# Altium PCB PCB.PcbDoc (part 1 of 2) (continued)
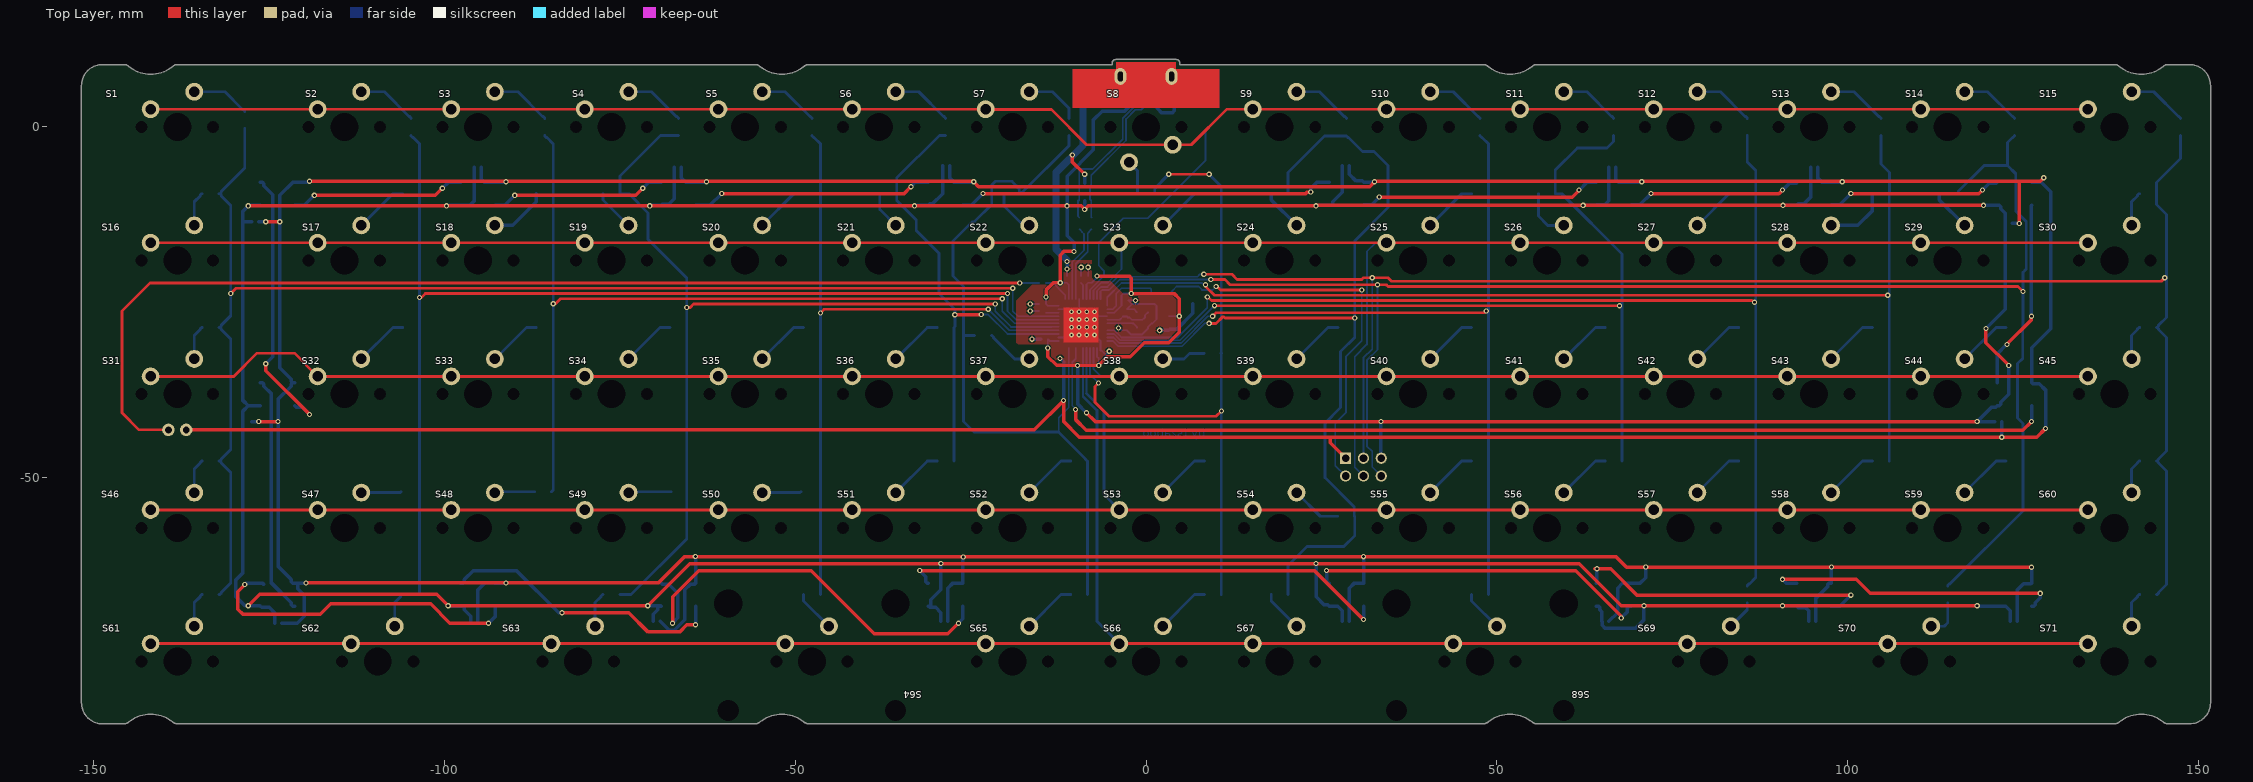
[diagram p0: Top Layer view]
## Components (designator, comment, footprint, x,y, rotation, side; value= is the part's Value field where it differs from the comment) (continued)
S39 "R3-1" "R3-1 NOLED" 19.05,-38.1 r0 top
S40 "R3-1" "R3-1 NOLED" 38.1,-38.1 r0 top locked
S41 "R3-1" "R3-1 NOLED" 57.15,-38.1 r0 top
S42 "R3-1" "R3-1 NOLED" 76.2,-38.1 r0 top
S43 "R3-1" "R3-1 NOLED" 95.25,-38.1 r0 top
S44 "R3-1" "R3-1 NOLED" 114.3,-38.1 r0 top locked
S45 "R3-1.5" "R3-1.5 NOLED" 138.112,-38.1 r0 top locked
S46 "R4-1.5" "R4-1.5 NOLED" -138.112,-57.15 r0 top locked
S47 "R4-1" "R4-1 NOLED" -114.3,-57.15 r0 top locked
S48 "R4-1" "R4-1 NOLED" -95.25,-57.15 r0 top locked
S49 "R4-1" "R4-1 NOLED" -76.2,-57.15 r0 top
S50 "R4-1" "R4-1 NOLED" -57.15,-57.15 r0 top locked
S51 "R4-1" "R4-1 NOLED" -38.1,-57.15 r0 top locked
S52 "R4-1" "R4-1 NOLED" -19.05,-57.15 r0 top
S53 "R4-1" "R4-1 NOLED" 0,-57.15 r0 top
S54 "R4-1" "R4-1 NOLED" 19.05,-57.15 r0 top
S55 "R4-1" "R4-1 NOLED" 38.1,-57.15 r0 top
S56 "R4-1" "R4-1 NOLED" 57.15,-57.15 r0 top
S57 "R4-1" "R4-1 NOLED" 76.2,-57.15 r0 top
S58 "R4-1" "R4-1 NOLED" 95.25,-57.15 r0 top
S59 "R4-1" "R4-1 NOLED" 114.3,-57.15 r0 top
S60 "R4-1.5" "R4-1.5 NOLED" 138.112,-57.15 r0 top
S61 "R4-1.5" "R4-1.5 NOLED" -138.112,-76.2 r0 top locked
S62 "R4-1.5" "R4-1.5 NOLED" -109.537,-76.2 r0 top locked
S63 "R4-1.5" "R4-1.5 NOLED" -80.963,-76.2 r0 top locked
S64 "R4-2" "R4-2 NOLED 180" -47.625,-76.2 r0 top locked
S65 "R4-1" "R4-1 NOLED" -19.05,-76.2 r0 top locked
S66 "R4-1" "R4-1 NOLED" 0,-76.2 r0 top locked
S67 "R4-1" "R4-1 NOLED" 19.05,-76.2 r0 top locked
S68 "R4-2" "R4-2 NOLED 180" 47.625,-76.2 r0 top locked
S69 "R4-1.5" "R4-1.5 NOLED" 80.962,-76.2 r0 top locked
S70 "R4-1.5" "R4-1.5 NOLED" 109.537,-76.2 r0 top locked
S71 "R4-1.5" "R4-1.5 NOLED" 138.112,-76.2 r0 top locked
S72 "434153017835" 434153017835 5,-24.5 r0 bottom
U1 "ATMEGA32U4" 44PW_M -9,-28 r270 bottom
Y1 "16MHz 3225" WE-XTAL_CFPX-180 -0.5,-27.5 r270 bottom

## Footprints (in the part's own frame and the unit in brackets; to place one, negate y for a bottom-side part, rotate by r counter-clockwise, add the part's x,y. Pads: shape width x height; smd on the part's side, far side on the other; paste and mask are expansions set on the pad)
44PW_M [mm]
  rect 1.05x0.25 smd: 1(-3.475,2.5) 2(-3.475,2) 3(-3.475,1.5) 4(-3.475,1) 5(-3.475,0.5) 6(-3.475,0) 7(-3.475,-0.5) 8(-3.475,-1) 9(-3.475,-1.5) 10(-3.475,-2) 11(-3.475,-2.5) 23(3.475,-2.5) 24(3.475,-2) 25(3.475,-1.5) 26(3.475,-1) 27(3.475,-0.5) 28(3.475,0) 29(3.475,0.5) 30(3.475,1) 31(3.475,1.5) 32(3.475,2) 33(3.475,2.5)
  rect 0.25x1.05 smd: 12(-2.5,-3.475) 13(-2,-3.475) 14(-1.5,-3.475) 15(-1,-3.475) 16(-0.5,-3.475) 17(0,-3.475) 18(0.5,-3.475) 19(1,-3.475) 20(1.5,-3.475) 21(2,-3.475) 22(2.5,-3.475) 34(2.5,3.475) 35(2,3.475) 36(1.5,3.475) 37(1,3.475) 38(0.5,3.475) 39(0,3.475) 40(-0.5,3.475) 41(-1,3.475) 42(-1.5,3.475) 43(-2,3.475) 44(-2.5,3.475)
  rect 5.3x5.3 smd: 45(0,0)
  silkscreen extent -4.5,-3.73 3.73,3.72, body extent -3.5,-3.5 3.5,3.5, height 0.9
513870530 [mm]
  rect 0.5x1.6 smd: 1(1.6,-5.5) 2(0.8,-5.5) 3(0,-5.5) 4(-0.8,-5.5) 5(-1.6,-5.5)
  rect 2.1x2.9 smd: TAB(-4,-5) TAB(4,-5)
  oval 1.7x2.4 hole 0.7 slot 1.4 at 90 deg: TAB(-3.65,-2.4) TAB(3.65,-2.4)
  rect 1.3x1 smd: TAB(-2.1,-1) TAB(2,-1)
  silkscreen extent -4.75,-3.25 4.75,-1, body extent -4.55,-6 4.55,0.7, height 4.06
61200621621 [mm] "6 pins, straight, gold plating"
  rect 1.6x1.6 hole 1.1: 1(-2.54,-1.27)
  round 1.6 hole 1.1: 2(-2.54,1.27) 3(0,-1.27) 4(0,1.27) 5(2.54,-1.27) 6(2.54,1.27)
  silkscreen extent -7.74,-4.5 7.74,4.5, body extent -7.64,-4.43 7.64,4.75, height 9.13
434153017835 [mm] "Tact Switch, SMD, body 3.5x2.9mm"
  rect 1.15x1.05 smd: 1(-1.675,0.725) 2(-1.675,-0.725) 3(1.675,0.725) 4(1.675,-0.725)
  silkscreen extent -0.8,-1.45 0.8,1.45, body extent -2.15,-1.45 2.15,1.45, height 1.7
CAPC0402N [mm]
  rect 0.6x0.6 smd: 1(-0.5,0) 2(0.5,0)
  silkscreen extent -1,-0.5 1,0.5, body extent -0.51,-0.25 0.51,0.25, height 0.52
CAPC0805N [mm] "Chip Capacitor, 2-Leads, Body 2.0x1.3mm, IPC Medium Density"
  rect 1x1.4 smd: 1(-1,0) 2(1,0)
  silkscreen extent -0.2,-0.7 0.2,0.7, body extent -1.25,-0.62 1.25,0.62, height 0.79
"R1 NOLED" [mil]
  round 100 hole 59: 1(-150,100) 2(95.23,197.67)
  round 0 hole 67 unplated: 10(200,0) 12(-200,0)
  round 0 hole 157 unplated: 11(0,0)
  body extent -356,-350 356,363, height 844
"R1-1 NOLED 180" [mil]
  round 100 hole 59: 1(-150,100) 2(95.23,197.67)
  round 0 hole 67 unplated: 10(200,0) 12(-200,0)
  round 0 hole 157 unplated: 11(0,0)
  body extent -356,-356 356,356, height 844
"R2-1 NOLED" [mil]
  round 100 hole 59: 1(-150,100) 2(95.23,197.67)
  round 0 hole 67 unplated: 10(200,0) 12(-200,0)
  round 0 hole 157 unplated: 11(0,0)
  body extent -356,-356 356,356, height 764
"R2-1.5 NOLED" [mil]
  round 100 hole 59: 1(-150,100) 2(95.23,197.67)
  round 0 hole 67 unplated: 10(200,0) 12(-200,0)
  round 0 hole 157 unplated: 11(0,0)
  body extent -543,-354 543,358, height 764
"R3-1 NOLED" [mil]
  round 100 hole 59: 1(-150,100) 2(95.23,197.67)
  round 0 hole 67 unplated: 10(200,0) 12(-200,0)
  round 0 hole 157 unplated: 11(0,0)
  body extent -356,-356 356,356, height 742
R3-1.5 [mil]
  round 100 hole 59: 1(-150,100) 2(95.23,197.67)
  round 70 hole 39: 3(50,-200) 4(-50,-200)
  round 0 hole 67 unplated: 10(200,0) 12(-200,0)
  round 0 hole 157 unplated: 11(0,0)
  body extent -543,-354 543,358, height 743
"R3-1.5 NOLED" [mil]
  round 100 hole 59: 1(-150,100) 2(95.23,197.67)
  round 0 hole 67 unplated: 10(200,0) 12(-200,0)
  round 0 hole 157 unplated: 11(0,0)
  body extent -543,-354 543,358, height 743
"R4-1 NOLED" [mil]
  round 100 hole 59: 1(-150,100) 2(95.23,197.67)
  round 0 hole 67 unplated: 10(200,0) 12(-200,0)
  round 0 hole 157 unplated: 11(0,0)
  body extent -356,-356 356,356, height 791
"R4-1.5 NOLED" [mil]
  round 100 hole 59: 1(-150,100) 2(95.23,197.67)
  round 0 hole 67 unplated: 10(200,0) 12(-200,0)
  round 0 hole 157 unplated: 11(0,0)
  body extent -543,-354 543,358, height 793
"R4-2 NOLED 180" [mil]
  round 100 hole 59: 1(-150,100) 2(95.23,197.67)
  round 0 hole 67 unplated: 10(200,0) 12(-200,0)
  round 0 hole 157 unplated: 11(0,0)
  round 0 hole 118.11 unplated: 13(-470,-275) 13(470,-275)
  round 0 hole 157.48 unplated: 14(-470,325) 14(470,325)
  body extent -730,-356 730,433, height 794
RESC0402N [mm] "Chip Resistor, Body 1 x0.5mm, IPC Medium Density"
  rect 0.6x0.6 smd: 1(-0.5,0) 2(0.5,0)
  silkscreen extent -1,-0.5 1,0.5, body extent -0.5,-0.25 0.5,0.25, height 0.3
RESC0603N [mm] "Chip Resistor, Body 1.6x0.8mm, IPC Medium Density"
  rect 0.9x1 smd: 1(-0.85,0) 2(0.85,0)
  silkscreen extent -0.1,-0.4 0.1,0.4, body extent -0.8,-0.4 0.8,0.4, height 0.45
SOD323FL [mm] "SMD diode, SOD323 (SC-76)"
  rect 1x0.8 smd: 1(-1.2,0) 2(1.2,0)
  silkscreen extent -0.38,-0.7 1.6,0.9, body extent -1.4,-0.68 1.4,0.67, height 0.75
SOT23-6L [mm] "WE-TVS TVS Diode, Body 2.9*2.8mm, 6 leads"
  rect 0.6x1.1 smd: 1(-0.95,-1.25) 2(0,-1.25) 3(0.95,-1.25) 4(0.95,1.25) 5(0,1.25) 6(-0.95,1.25)
  silkscreen extent -1.45,-1.03 1.45,0.8, body extent -1.45,-1.4 1.45,1.4, height 1.12
WE-XTAL_CFPX-180 [mm] "Quartz Crystal, size CFPX-180, body 3.4x2.7mm"
  rect 1.4x1.15 smd: 1(-1.1,-0.8) 2(1.1,-0.8) 3(1.1,0.8) 4(-1.1,0.8)
  silkscreen extent -2.35,-0.85 -2.15,-0.65, body extent -1.7,-1.35 1.7,1.35, height 0.65
WS2812 [mm]
  rect 1.5x0.9 smd: 1(-2.45,1.65) 2(-2.45,-1.65) 3(2.45,-1.65) 4(2.45,1.65)
  silkscreen extent -2.9,-2.7 2.9,2.75, body extent -2.7,-2.5 2.7,2.5, height 1.58

## Part data
C1: library part 885012105012, MANUF=WE, VOLTAGE=10, COMPATIBLES=True, DESCIPTION="CAP SMD 0402 1 µF 10V X5R", DIGIKEY=732-7489-2-ND, MANUFCODE=885012105012, NoPins=2, SCH="0402 1 µF 10V X5R", SMD=YES, SUPPLY=SUB, TECH=X5R
C2: library part 885012107010, MANUF=WE, TOLERANCE=±20%, VOLTAGE=10, COMPATIBLES=True, DESCIPTION="CAP SMD 0805 10 µF 10 V X5R", DIGIKEY=732-7620-2-ND, MANUFCODE=885012107010, NoPins=2, SCH="0805 10µF 10V X5R", SMD=YES, SUPPLY=SUB, TECH=X5R
C3 C4: library part 885012005007, MANUF=WE, VOLTAGE=10, COMPATIBLES=True, DESCIPTION="CAP SMD 0402 10 pF 10V NP0", DIGIKEY=732-7425-2-ND, MANUFCODE=885012005007, NoPins=2, SCH="0402 10 pF 10V NP0", SMD=YES, SUPPLY=SUB, TECH=NP0
C5 C6 C7 C8 C9 C10 C11 C12 C13 C14 C15 C16 C17 C18 C19 C20 C21 C22 C23 C24 C25 C26 C27 C28 C29: library part 885012105010, MANUF=WE, VOLTAGE=10, COMPATIBLES=True, DESCIPTION="CAP SMD 0402 100 nF 10V X5R", DIGIKEY=732-7487-2-ND, MANUFCODE=885012105010, NoPins=2, SCH="0402 100 nF 10V X5R", SMD=YES, SUPPLY=SUB, TECH=X5R
D1 D2 D3 D4 D5 D6 D7 D8 D9 D10 D11 D12 D13 D14 D15 D16 D17 D18 D19 D20 D21 D22 D23 D24 D25 D26 D27 D28 D29 D30 D31 D32 D33 D34 D35 D36 D37 D38 D39 D40 D41 D42 D43 D44 D45 D46 D47 D48 D49 D50 D51 D52 D53 D54 D55 D56 D57 D58 D59 D60 D61 D62 D63 D64 D65 D66 D67 D68 D69 D70 D71: "Default Diode", MANUF="ON Semi", PACKAGE=SOD323-FL, COMPATIBLES=True, DESCIPTION="DIODE GEN PURP 80V 125MA SOD323", DIGIKEY=1N4148WSFSTR-ND, FARNELL=2453270, GENERIC=1N4148, MANUFCODE=1N4148WS, NoPins=2, SMD=True
D72: library part "WE-TVS, SOT23-6L, 82400102", "WE-TVS TVS Diode, High Speed Series, SOT23-6L, VDC = 5V", Manufacturer="Wurth Elektronik", COMPATIBLES=False, ComponentLink1Description=Manufacturer, ComponentLink1URL=http://www.we-online.de, ComponentLink2Description=Datasheet, ComponentLink2URL=http://katalog.we-online.de/pbs/datasheet/82400102.pdf, Created by=BJ.Chen, Created Date="Jan 2016", DESCIPTION="WE-TVS TVS Diode, High Speed Series, SOT23-6L, VDC = 5V", DIGIKEY=732-4473-1-ND, PartNo=82400102, VDC=5V
J1: "Mini USB, B-Receptacle, Right-Angle, Short Body, Surface Mount Solder Tails and Through Hole Shell Tabs, with Cover Tape, Reflow DIP Type, Lead-Free", MANUF=MOLEX, COMPATIBLES=False, ComponentLink1 Description=Manufacturer, ComponentLink1URL=http://www.we-online.de, ComponentLink2 Description=Datasheet, ComponentLink2URL=http://katalog.we-online.de/em/datasheet/65100516121.pdf, DESCIPTION="USB - mini B USB 2.0 OTG Receptacle Connector 5 Position Surface Mount", DIGIKEY=WM3756TR-ND, MANUFCODE=513870530
LED1 LED2 LED3 LED4 LED5 LED6 LED7 LED8 LED9 LED10 LED11 LED12 LED13 LED14 LED15 LED16 LED17 LED18: library part WS2812, MANUF=Worldsemi, COMPATIBLES=False, DESCIPTION="ADDRESS LED RED/GRN/BLUE", DIGIKEY=COM-16347, MANUFCODE=WS2812B, NoPins=4
P1: "Male Box Header WR-BHD, THT, Vertical, pitch 2.54 mm, 6 pins", Contact Resistance="20 mOhm", Operating Temperature="-40 to 125 degC", Withstanding Voltage="500 VAC", Working Voltage="250 VAC", COMPATIBLES=True, ComponentLink1Description=Manufacturer, ComponentLink1URL=http://www.we-online.de, ComponentLink2Description=Datasheet, ComponentLink2URL=https://katalog.we-online.de/em/datasheet/6120xx21621.pdf, Gender=Male, Mounting Technology=THT, Orientation=Vertical, Packaging=Tray, Part Number=61200621621, Pin Number=6, Pitch="2.54 mm", Published Date="August 2018", Publisher="Wurth Elektronik"
R1 R2: library part CRCW060322R0FKEA, "Resistor", MANUF=VISHAY, COMPATIBLES=True, DESCIPTION="RES SMD 22 OHM 1% 1/10W 100PPM 0603", DESCR="RES SMD 22 OHM 1% 1/10W 100PPM 0603", DIGIKEY=541-22.0HCT-ND, FARNELL=#N/A, MANUFCODE=CRCW060322R0FKEA, NoPins=2, SCH="RES 22R 0603", SMD=YES, SUPPLY=SUB
R3 R4: library part CRCW04024K70FKED, "Resistor", MANUF=VISHAY, COMPATIBLES=True, DESCIPTION="RES SMD 4.7K OHM 1% 1/16W 100PPM 0402", DESCR="RES SMD 4.7K OHM 1% 1/16W 100PPM 0402", DIGIKEY=541-4.70KLCT-ND, FARNELL=TBD, MANUFCODE=CRCW04024K70FKED, NoPins=2, SCH="RES 4.7K 0402", SMD=YES, SUPPLY=SUB
S72: "WS-TASV J-Bend SMT Tact Switch, 3.5x2.9x1.7mm, 350gf", MANUF=WE, Manufacturer="Wurth Elektronik", Operating Temperature="-40 to +85degC", Rated Current=50mA, Rated Voltage=12VDC, COMPATIBLES=True, ComponentLink1Description=Manufacturer, ComponentLink1URL=http://www.we-online.de, ComponentLink2Description=Datasheet, ComponentLink2URL=https://www.we-online.com/catalog/datasheet/434153017835.pdf, Contact Material="Stainless Steel", Contact Plating=Silver, DESCIPTION="SWITCH TACTILE SPST-NO 0.05A 12V", DIGIKEY=732-10143-1-ND, Manufacturer Part Number=434153017835, MANUFCODE=434153017835, Mounting Technology=SMT, Operation Force=350gf, Packaging="Tape and Reel", Published Date="November 2020", Size=3.5x2.9x1.7mm, Terminal Material="Copper Alloy", Terminal Plating=Silver, Washable=No
U1: library part CMP-0095-00166-2, "8-bit AVR Microcontroller, 2.7-5.5V, 16MHz, 32KB Flash, 1KB EEPROM, 2.5KB SRAM, USB Controller, 44-pin QFN, Industrial Grade (-40°C to 85°C), Ext Osc", MANUF=Microchip, MANUFCODE=ATMEGA32U4-MU-ND, Code_JEDEC=MO-220-VKKD-1, COMPATIBLES=False, ComponentLink1Description="Manufacturer URL", ComponentLink1URL=http://www.atmel.com/, ComponentLink2Description="ATmega16U4/32U4 Datasheet", ComponentLink2URL=http://www.atmel.com/dyn/resources/prod_documents/doc7766.pdf, ComponentLink3Description="ATmega16U4 ATmega32U4 Summary", ComponentLink3URL=http://www.atmel.com/dyn/resources/prod_documents/7766S.pdf, DatasheetVersion="revF, Nov-2010", DESCIPTION="IC MCU 8BIT 32KB FLASH 44VQFN", DIGIKEY=ATMEGA32U4-MU-ND, NoPins=44, PackageDescription="44-Pin Quad Flat No-Lead Package, 7 x 7 mm Body, 0.5 mm Pitch (QFN)", PackageReference=44PW, PackageVersion="revG, Sep-2009", RevisionNote="DatasheetVersion, PackageVersion & PCB updated. URLs added."
Y1: library part 830055951, "WE-XTAL Quartz Crystal, SMT, CFPX-180, 16MHz, +/-20ppm", Frequency=16MHz, Frequency Stability=+/-30ppm, Frequency Tolerance=+/-20ppm, Load Capacitance=18pF, MANUF=WE/IQD, Manufacturer="Wurth Elektronik", Operating Temperature="-40 to +85degC", COMPATIBLES=True, ComponentLink1Description=Manufacturer, ComponentLink1URL=http://www.we-online.de, ComponentLink2Description=Datasheet, ComponentLink2URL=https://katalog.we-online.com/pbs/datasheet/830055951.pdf, DESCIPTION="CRYSTAL 16.0000MHZ 18PF SMD", DIGIKEY=1923-1308-1-ND, Manufacturer Part Number=830055951, MANUFCODE=830055951, Mounting Technology=SMT, Packaging="Tape and Reel", Published Date="July 2020", Size=CFPX-180

## Via types
v1: diameter 0.75, hole 0.4, Top Layer to Bottom Layer, 139 vias
v2: diameter 0.7, hole 0.3, Top Layer to Bottom Layer, 16 vias

## Nets (pads, with @x,y where several pads share a name; then routed paths per layer and width w, separated by ;. In a path a pad name is that pad's centre, name@x,y a point inside that pad or via, vN(x,y) a via of type N, cw(c..) or ccw(c..) an arc to the next point about the centre after c; other vN are vias at no path point)
C0: S1.1 S2.1 S3.1 S4.1 S5.1 S6.1 S7.1 S8.1 S9.1 S10.1 S11.1 S12.1 S13.1 S14.1 S15.1 U1.8 | length 322
  Top Layer w0.4: S1.1@-141.922,2.54 S2.1@-118.11,2.54 S3.1@-99.06,2.54 S4.1@-80.01,2.54 S5.1@-60.96,2.54 S6.1@-41.91,2.54 S7.1@-22.86,2.54 -22.82,2.5 -13.5,2.5 -8.46,-2.54 S8.1@3.81,-2.54 6.46,-2.54 11.54,2.54 S9.1@15.24,2.54 S10.1@34.29,2.54 S11.1@53.34,2.54 S12.1@72.39,2.54 S13.1@91.44,2.54 S14.1@110.49,2.54 S15.1@134.302,2.54
  Bottom Layer w0.25: U1.8@-8,-24.525 -8,-23.25 -6,-21.25 -6,-20.5 -6.75,-19.75 -6.75,-16.5 -3.25,-13 0.25,-13 8.5,-4.75 8.5,-0.5 11.54,2.54 S9.1@15.24,2.54
C1: P1.4 S16.1 S17.1 S18.1 S19.1 S20.1 S21.1 S22.1 S23.1 S24.1 S25.1 S26.1 S27.1 S28.1 S29.1 S30.1 U1.9 | length 323.1
  Top Layer w0.4: S16.1@-141.922,-16.51 S17.1@-118.11,-16.51 S18.1@-99.06,-16.51 S19.1@-80.01,-16.51 S20.1@-60.96,-16.51 S21.1@-41.91,-16.51 S22.1@-22.86,-16.51 S23.1@-3.81,-16.51 S24.1@15.24,-16.51 S25.1@34.29,-16.51 S26.1@53.34,-16.51 S27.1@72.39,-16.51 S28.1@91.44,-16.51 S29.1@110.49,-16.51 S30.1@134.302,-16.51
  Bottom Layer w0.25: U1.9@-7.5,-24.525 -7.5,-23.316 -6.359,-22.175 -5.425,-22.175 -3.5,-20.25 -3.5,-16.82 S23.1@-3.81,-16.51 ; P1.4@31,-49.77 29.75,-48.52 29.75,-32.75 31.5,-31 31.5,-17.75 32.74,-16.51 S25.1@34.29,-16.51
C2: S31.1 S32.1 S33.1 S34.1 S35.1 S36.1 S37.1 S38.1 S39.1 S40.1 S41.1 S42.1 S43.1 S44.1 S45.1 U1.25 | length 286.1
  Top Layer w0.4: S31.1@-141.922,-35.56 -130.06,-35.56 -126.75,-32.25 -121.42,-32.25 S32.1@-118.11,-35.56 S33.1@-99.06,-35.56 S34.1@-80.01,-35.56 S35.1@-60.96,-35.56 S36.1@-41.91,-35.56 S37.1@-22.86,-35.56 S38.1@-3.81,-35.56 S39.1@15.24,-35.56 S40.1@34.29,-35.56 S41.1@53.34,-35.56 S42.1@72.39,-35.56 S43.1@91.44,-35.56 S44.1@110.49,-35.56 S45.1@134.302,-35.56
  Bottom Layer w0.25: U1.25@-7.5,-31.475 -7.5,-34.5 -6.44,-35.56 S38.1@-3.81,-35.56
C3: S46.1 S47.1 S48.1 S49.1 S50.1 S51.1 S52.1 S53.1 S54.1 S55.1 S56.1 S57.1 S58.1 S59.1 S60.1 U1.27 | length 301.3
  Top Layer w0.4: S46.1@-141.922,-54.61 S47.1@-118.11,-54.61 S48.1@-99.06,-54.61 S49.1@-80.01,-54.61 S50.1@-60.96,-54.61 S51.1@-41.91,-54.61 S52.1@-22.86,-54.61 S53.1@-3.81,-54.61 S54.1@15.24,-54.61 S55.1@34.29,-54.61 S56.1@53.34,-54.61 S57.1@72.39,-54.61 S58.1@91.44,-54.61 S59.1@110.49,-54.61 S60.1@134.302,-54.61
  Bottom Layer w0.25: -8.5,-38 -8.5,-31.948 U1.27@-8.5,-31.475
  Bottom Layer w0.4: -8.5,-38 -6,-40.5 -6,-52.42 S53.1@-3.81,-54.61
C4: S61.1 S62.1 S63.1 S64.1 S65.1 S66.1 S67.1 S68.1 S69.1 S70.1 S71.1 U1.28 | length 320.6
  Top Layer w0.4: S61.1@-141.922,-73.66 S62.1@-113.347,-73.66 S63.1@-84.773,-73.66 S64.1@-51.435,-73.66 S65.1@-22.86,-73.66 S66.1@-3.81,-73.66 S67.1@15.24,-73.66 S68.1@43.815,-73.66 S69.1@77.153,-73.66 S70.1@105.727,-73.66 S71.1@134.302,-73.66
  Bottom Layer w0.25: U1.28@-9,-31.475 -9,-33.758 -8.975,-33.783 -8.975,-38.425 -8.9,-38.5
  Bottom Layer w0.4: -8.9,-38.5 -7,-40.4 -7,-70.47 S66.1@-3.81,-73.66
CAPS: R4.2 S31.4 | length 154.5
  Top Layer w0.4: S31.4@-139.382,-43.18 -143.57,-43.18 -146,-40.75 -146,-26.25 -142,-22.25 v1(-18,-22.25)
  Bottom Layer w0.25: v1(-18,-22.25) R4.2@-15.25,-22.25
GND: C1.1 C2.1 C3.1 C4.1 C5.1 C6.1 C7.1 C8.1 C9.1 C10.1 C11.1 C12.1 C13.1 C14.1 C15.1 C16.1 C17.1 C18.1 C19.1 C20.1 C21.1 C22.1 C23.1 C24.1 C25.1 C26.1 C27.1 C28.1 C29.1 D72.2 J1.5 J1.TAB LED1.3 LED2.3 LED3.3 LED4.3 LED5.3 LED6.3 LED7.3 LED8.3 LED9.3 LED10.3 LED11.3 LED12.3 LED13.3 LED14.3 LED15.3 LED16.3 LED17.3 LED18.3 P1.1 S31.3 S72.3 U1.5 U1.15 U1.23 U1.35 U1.43 U1.45 Y1.2 Y1.4 | length 1107.9
  Top Layer w0.5: S31.3@-136.843,-43.18 -15.93,-43.18 v1(-11.75,-39) -11.75,-42 -9.5,-44.25 26.25,-44.25 ; v1(-126.5,-42) -126.493,-42.007 v1(-123.75,-42.007) ; v1(-125.5,-13.5) v1(-123.5,-13.5) ; v1@-119.762,-65 -69.5,-65 -65.75,-61.25 v1(-64.25,-61.25) 67,-61.25 68.512,-62.762 v1(126.263,-62.762) ; v1(-119.25,-7.75) v1@-24.562,-7.75 ; v1(-24.562,-7.812) -23.875,-8.5 31.9,-8.5 v1(32.588,-7.812) ; v1(-10.5,-4) -10.5,-5 v1(-8.75,-6.75) ; P1.1@28.46,-47.23 26.25,-45.02 26.25,-44.25 ; v1@32.588,-7.75 124.5,-7.75 ; v1(124.5,-13.75) 124.5,-7.75 ; v1(128,-7.25) 127.5,-7.75 124.5,-7.75 ; v1(128.25,-43) 127,-44.25 v1(122,-44.25) 26.25,-44.25
  Bottom Layer w0.25: v1(-16.5,-26.25) C9.1@-15.25,-26.25 ; v1(-16.5,-25.25) C7.1@-15.25,-25.25 ; U1.35@-12.475,-30 -11.4,-30 U1.45@-11.2,-30.2 ; U1.43@-12.475,-26 -11.4,-26 U1.45@-11.2,-25.8 ; C8.1@-11.25,-21.25 v1(-11.25,-20.25) ; U1.5@-9.5,-24.525 -9.5,-26.4 U1.45@-9,-26.9 ; C1.1@-9.25,-21.25 v1(-9.25,-20) ; C5.1@-8.25,-21.25 v1(-8.25,-20) ; U1.45@-6.8,-30.2 -6.5,-30.5 -6.5,-31.875 -6.346,-31.875 -5.75,-32.471 C10.1@-5.75,-33 ; U1.45@-6.8,-26.9 -6.7,-27 U1.15@-5.525,-27 ; -5.721,-32.471 -5.25,-32 v1(-5.25,-31.975) ; v1(-3.915,-28.665) -3.78,-28.665 -3.445,-29 C3.1@-2.75,-29 -2.175,-29.575 -0.55,-29.575 0.3,-28.725 Y1.2@0.3,-28.6 0.3,-28.475 0.75,-28.025 0.875,-28.025 1.5,-27.4 1.5,-25.5 1.25,-25.25 -2,-25.25 ; v1(-1.5,-24.75) -1.5,-24.627 -1.627,-24.5 -1.877,-24.75 C11.1@-2.5,-24.75 -2,-25.25 ; Y1.4@-1.3,-26.4 -1.7,-26 C4.1@-2.75,-26 -2,-25.25
  Bottom Layer w0.5: C27.1@-127.5,-42 v1(-126.5,-42) ; C28.1@-126.5,-13.5 v1(-125.5,-13.5) ; C21.1@-123.25,-70.75 -121,-70.75 -120,-69.75 -120,-66.75 -120.92,-65.83 -120.92,-65.225 LED11.3@-121.12,-65.025 ; LED10.3@-121.375,-36.45 LED10.3@-121.675,-36.45 ; v1(-119.762,-65.012) -119.775,-65.025 LED11.3@-121.12,-65.025 ; v1(-119.25,-7.75) -119.375,-7.875 LED9.3@-121.375,-7.875 -121.625,-7.875 -123.5,-9.75 v1(-123.5,-13.5) -123.5,-34.325 -121.875,-35.95 -121.875,-36.25 LED10.3@-121.675,-36.45 ; C18.1@-95.25,-70.5 -95.25,-66 -94.25,-65 -92.825,-65 LED12.3@-92.8,-65.025 -91.275,-65.025 v1(-91.262,-65.012) ; C29.1@-94.75,-5.75 -94.75,-7.5 -94.375,-7.875 LED8.3@-92.8,-7.875 v1@-91.3,-7.875 ; C19.1@-69.25,-70.5 -68,-71.75 -67.25,-71.75 -65.75,-70.25 -65.75,-66 -64.975,-65.225 -64.425,-65.225 LED13.3@-64.225,-65.025 v1@-64.225,-61.25 ; C26.1@-66.25,-5.75 -66.25,-7.25 -65.625,-7.875 LED7.3@-64.225,-7.875 v1@-62.725,-7.875 ; C17.1@-28.25,-70.5 -28.25,-65.75 -27.525,-65.025 LED14.3@-26.125,-65.025 -26.125,-61.375 v1(-26.062,-61.312) ; C22.1@-28,-5.5 -28,-7.25 -27.375,-7.875 LED6.3@-26.125,-7.875 v1@-24.625,-7.875 ; v1(-16.25,-30.25) C6.1@-15,-30.25 ; v1(-12.25,-33) -11.75,-33.5 v1(-11.75,-39) ; v1(-11.25,-20.25) v1@-11.25,-19 ; D72.2@-8.75,-8 v1(-8.75,-6.75) ; -5.2,3.4 -4.8,3.4 -4,4.2 J1.TAB@-4,4.6 ; J1.TAB@-3.5,4.1 J1.TAB@-4,4.6 ; J1.TAB@-2,8.6 -2.25,8.35 -2.5,8.35 -2.844,8.006 -2.869,8.006 -3.65,7.225 J1.TAB@-3.65,7.2 -3.65,4.95 J1.TAB@-4,4.6 ; J1.5@1.6,4.1 1.6,2.65 2.25,2 3.75,2 4.043,2.293 4.043,3 4.25,3 ; v1(1.942,-29) C2.1@3.25,-29 3.38,-28.87 4.38,-28.87 6.675,-26.575 S72.3@6.675,-25.225 ; J1.TAB@2.1,8.6 2.25,8.6 2.5,8.35 3.07,7.78 3.096,7.78 3.65,7.225 3.65,4.95 J1.TAB@4,4.6 ; C13.1@29,-70.5 29,-65.75 29.725,-65.025 LED15.3@31.025,-65.025 v1@31.025,-61.275 ; C23.1@29,-5.5 29,-6.75 29.945,-7.695 30.845,-7.695 LED5.3@31.025,-7.875 v1@32.525,-7.875 ; C20.1@66,-70.5 67.25,-69.25 67.25,-65.75 67.92,-65.08 69.07,-65.08 LED16.3@69.125,-65.025 70.475,-65.025 71.25,-64.25 v1(71.25,-62.75) ; C24.1@67,-5.75 67,-7.5 67.375,-7.875 LED4.3@69.125,-7.875 70.625,-7.875 v1(70.688,-7.812) v1@70.75,-7.75 ; C14.1@95.5,-70.5 95.5,-67.225 97.2,-65.525 97.2,-65.225 97.4,-65.025 LED17.3@97.7,-65.025 97.7,-62.8 v1(97.75,-62.75) ; C25.1@95.75,-5.75 95.75,-7.25 96.375,-7.875 LED3.3@97.7,-7.875 v1@99.2,-7.875 ; v1(122,-44.25) C16.1@122,-42 ; C12.1@123.5,-13.75 v1(124.5,-13.75) ; C15.1@124.25,-70.5 124.25,-66 125.12,-65.13 126.17,-65.13 LED18.3@126.275,-65.025 v1@126.275,-62.775 ; LED2.3@126.275,-7.875 127.625,-7.875 129,-9.25 129,-28.75 126.275,-31.475 LED1.3@126.275,-36.45 126.443,-36.618 127.368,-36.618 128.25,-37.5 v1(128.25,-43) ; 127.455,-7.795 v1(128,-7.25) ; LED10.3@-121.675,-36.45 -121.875,-36.65 -121.875,-36.95 -123.75,-38.825 v1(-123.75,-42.007) -123.75,-62.65 -121.875,-64.525 -121.875,-64.825 -121.675,-65.025 LED11.3@-121.375,-65.025 LED11.3@-121.12,-65.025
  Bottom Layer w1: v1@-11.275,-19 -11.275,-18.975 -12.8,-17.45 -12.8,-6.454 -9,-2.654 -9,3.5 -7,5.5
  other v1: 31.013,-61.262 -11.25,-19.196 -91.237,-7.812 -62.662,-7.812 99.263,-7.812
  other v2: -10.65,-29.65 -9.55,-29.65 -8.45,-29.65 -7.35,-29.65 -10.65,-28.55 -9.55,-28.55 -8.45,-28.55 -7.35,-28.55 -10.65,-27.45 -9.55,-27.45 -8.45,-27.45 -7.35,-27.45 -10.65,-26.35 -9.55,-26.35 -8.45,-26.35 -7.35,-26.35
NetC1_2: C1.2 U1.6 | length 2.4
  Bottom Layer w0.25: C1.2@-9.25,-22.25 -9,-22.5 U1.6@-9,-24.525
NetC3_2: C3.2 U1.17 Y1.3 | length 4.5
  Bottom Layer w0.25: U1.17@-5.525,-28 C3.2@-2.75,-28 -1.9,-28 -1.875,-28.025 -1.75,-28.025 -1.3,-28.475 Y1.3@-1.3,-28.6
NetC4_2: C4.2 U1.16 Y1.1 | length 6.9
  Bottom Layer w0.25: U1.16@-5.525,-27.5 -3.75,-27.5 -3.279,-27.029 -2.779,-27.029 C4.2@-2.75,-27 -2.575,-27.175 -2.325,-27.175 -2,-27.5 -0.5,-27.5 -0.25,-27.25 -0.15,-27.15 -0.15,-26.85 Y1.1@0.3,-26.4
NetC9_2: C9.2 U1.42 | length 1.8
  Bottom Layer w0.25: C9.2@-14.25,-26.5 U1.42@-12.475,-26.5
NetD1_1: D1.1 S1.2 | length 8.4
  Bottom Layer w0.4: S1.2@-135.694,5.021 -131.321,5.021 -128.8,2.5 -128.7,2.5 -128.5,2.3 D1.1@-128.5,2.2
NetD2_1: D2.1 S2.2 | length 8.7
  Bottom Layer w0.4: S2.2@-111.881,5.021 -108.596,5.021 -105.075,1.5 -104.975,1.5 -104.775,1.3 D2.1@-104.775,1.2
NetD3_1: D3.1 S3.2 | length 8.7
  Bottom Layer w0.4: S3.2@-92.831,5.021 -89.546,5.021 -86.025,1.5 -85.925,1.5 -85.725,1.3 D3.1@-85.725,1.2
NetD4_1: D4.1 S4.2 | length 8.7
  Bottom Layer w0.4: S4.2@-73.781,5.021 -70.496,5.021 -66.975,1.5 -66.875,1.5 -66.675,1.3 D4.1@-66.675,1.2
NetD5_1: D5.1 S5.2 | length 8.7
  Bottom Layer w0.4: S5.2@-54.731,5.021 -51.446,5.021 -47.925,1.5 -47.825,1.5 -47.625,1.3 D5.1@-47.625,1.2
NetD6_1: D6.1 S6.2 | length 8.7
  Bottom Layer w0.4: S6.2@-35.681,5.021 -32.396,5.021 -28.875,1.5 -28.775,1.5 -28.575,1.3 D6.1@-28.575,1.2
NetD7_1: D7.1 S7.2 | length 8.1
  Bottom Layer w0.4: S7.2@-16.631,5.021 -13.346,5.021 -11,2.675 D7.1@-11,1.2
NetD8_1: D8.1 S8.2 | length 5
  Bottom Layer w0.4: S8.2@-2.419,-5.021 -1.2,-6.24 D8.1@-1.2,-9.525
NetD9_1: D9.1 S9.2 | length 8.7
  Bottom Layer w0.4: S9.2@21.469,5.021 24.754,5.021 28.275,1.5 28.375,1.5 28.575,1.3 D9.1@28.575,1.2
NetD10_1: D10.1 S10.2 | length 8.7
  Bottom Layer w0.4: S10.2@40.519,5.021 43.804,5.021 47.325,1.5 47.425,1.5 47.625,1.3 D10.1@47.625,1.2